# Altium PCB PCB_V0.0.PcbDoc (part 1 of 2)
Units mm, origin at the board's own origin, x right, y up, seen from the top; angles counter-clockwise.
Board outline 199 x 99 mm, 2 copper layers (Top Layer, Bottom Layer); 390 components, 361 nets, 1825 pads, 48 vias.
Unrouted connection lines stored in the file: 1025.
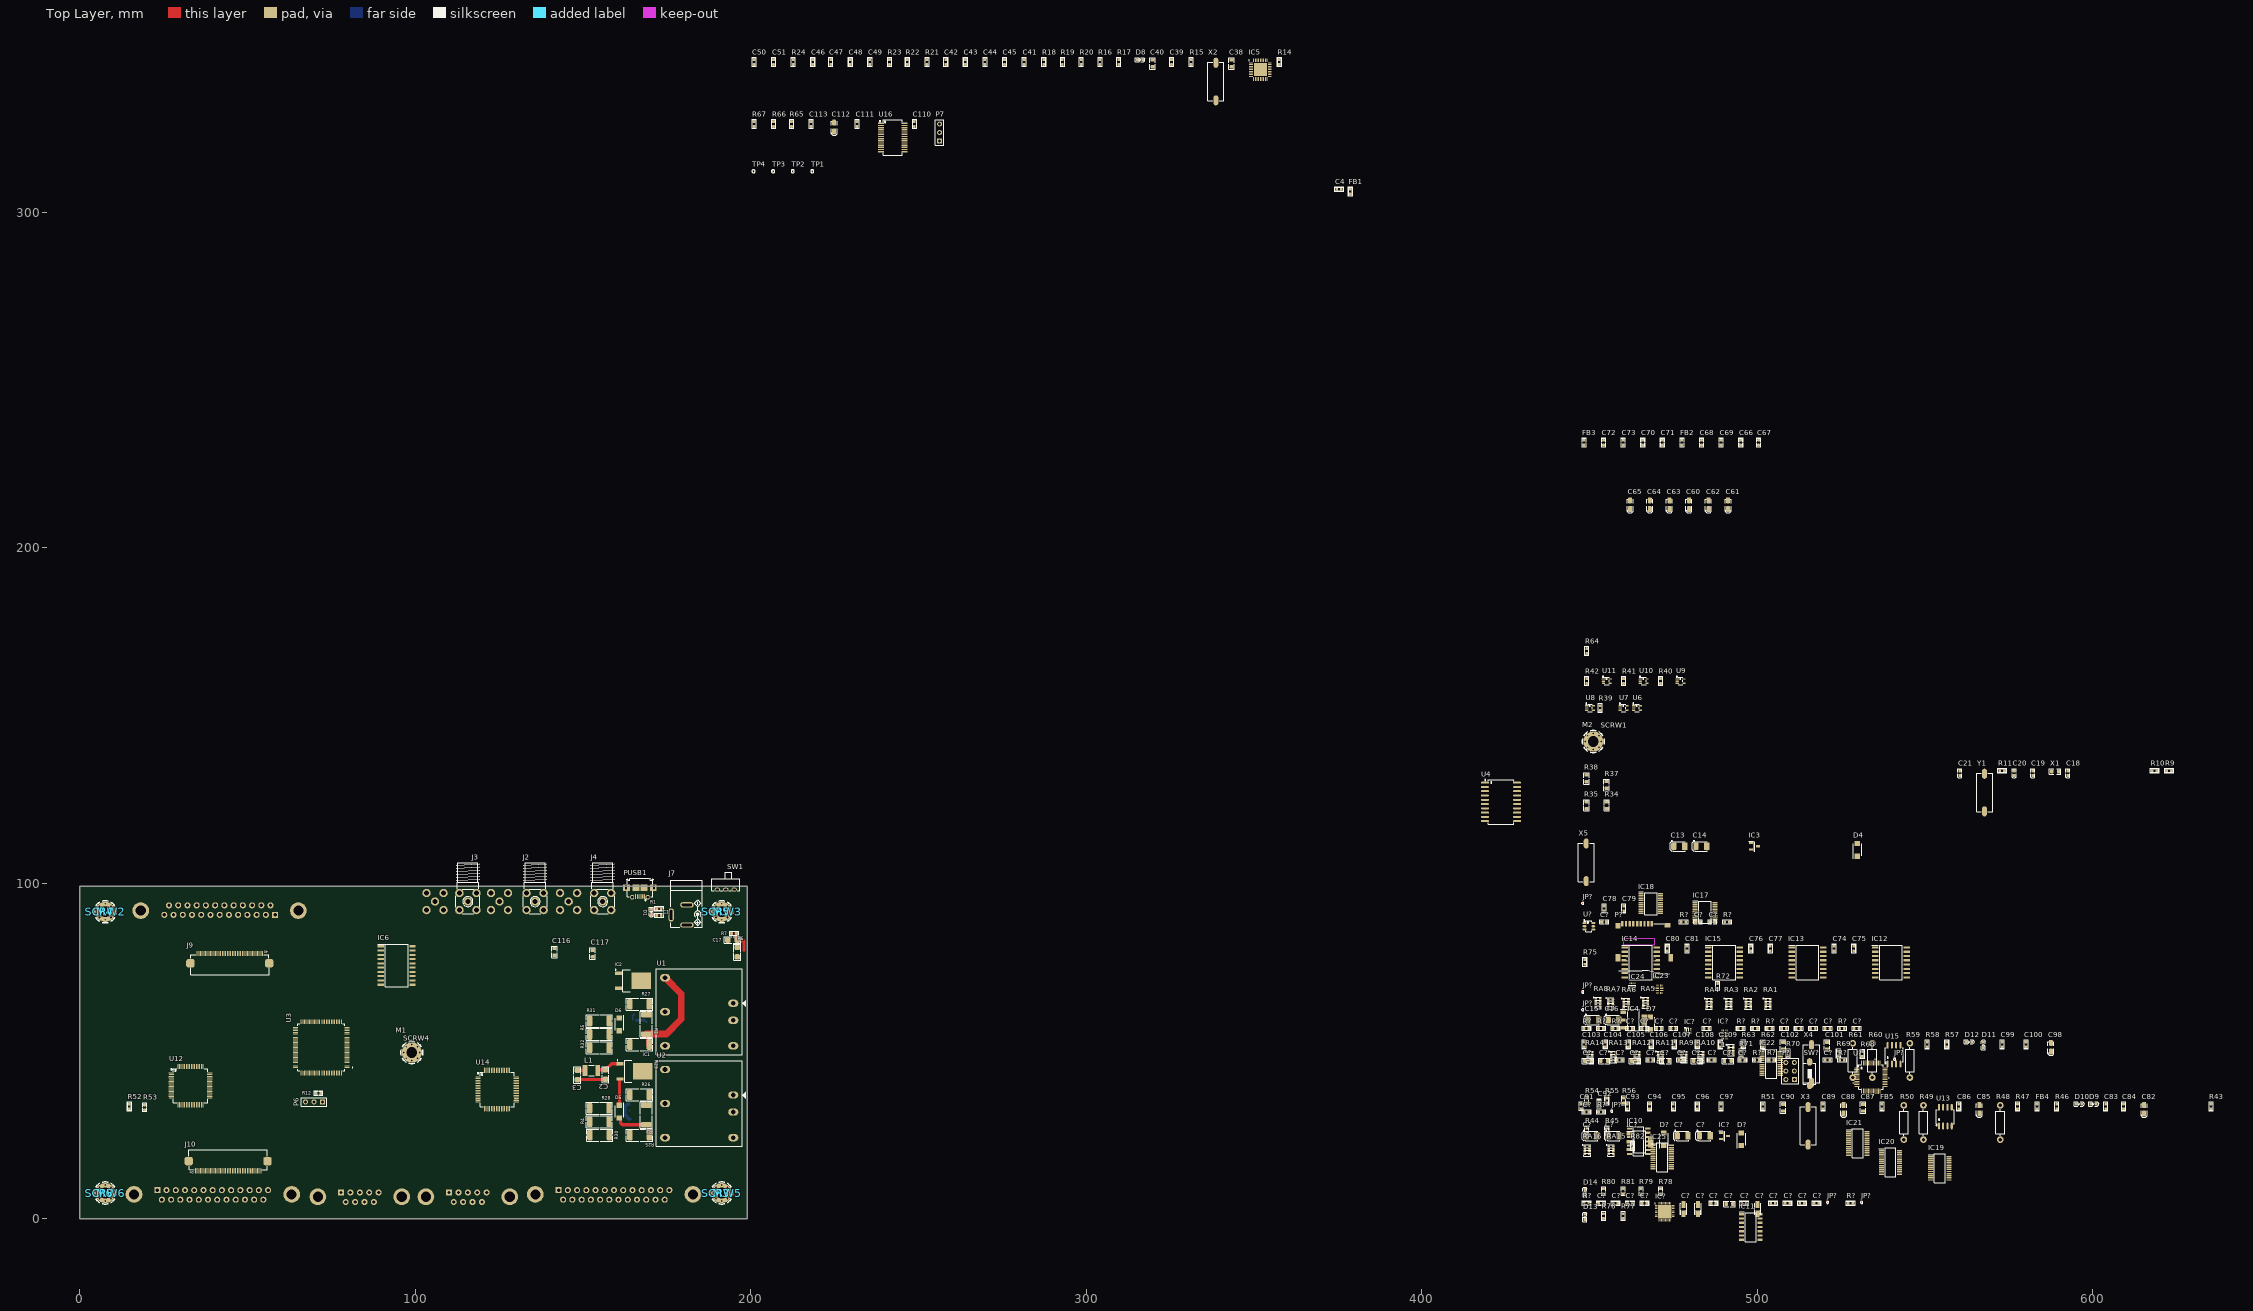
[diagram p0: Top Layer view]
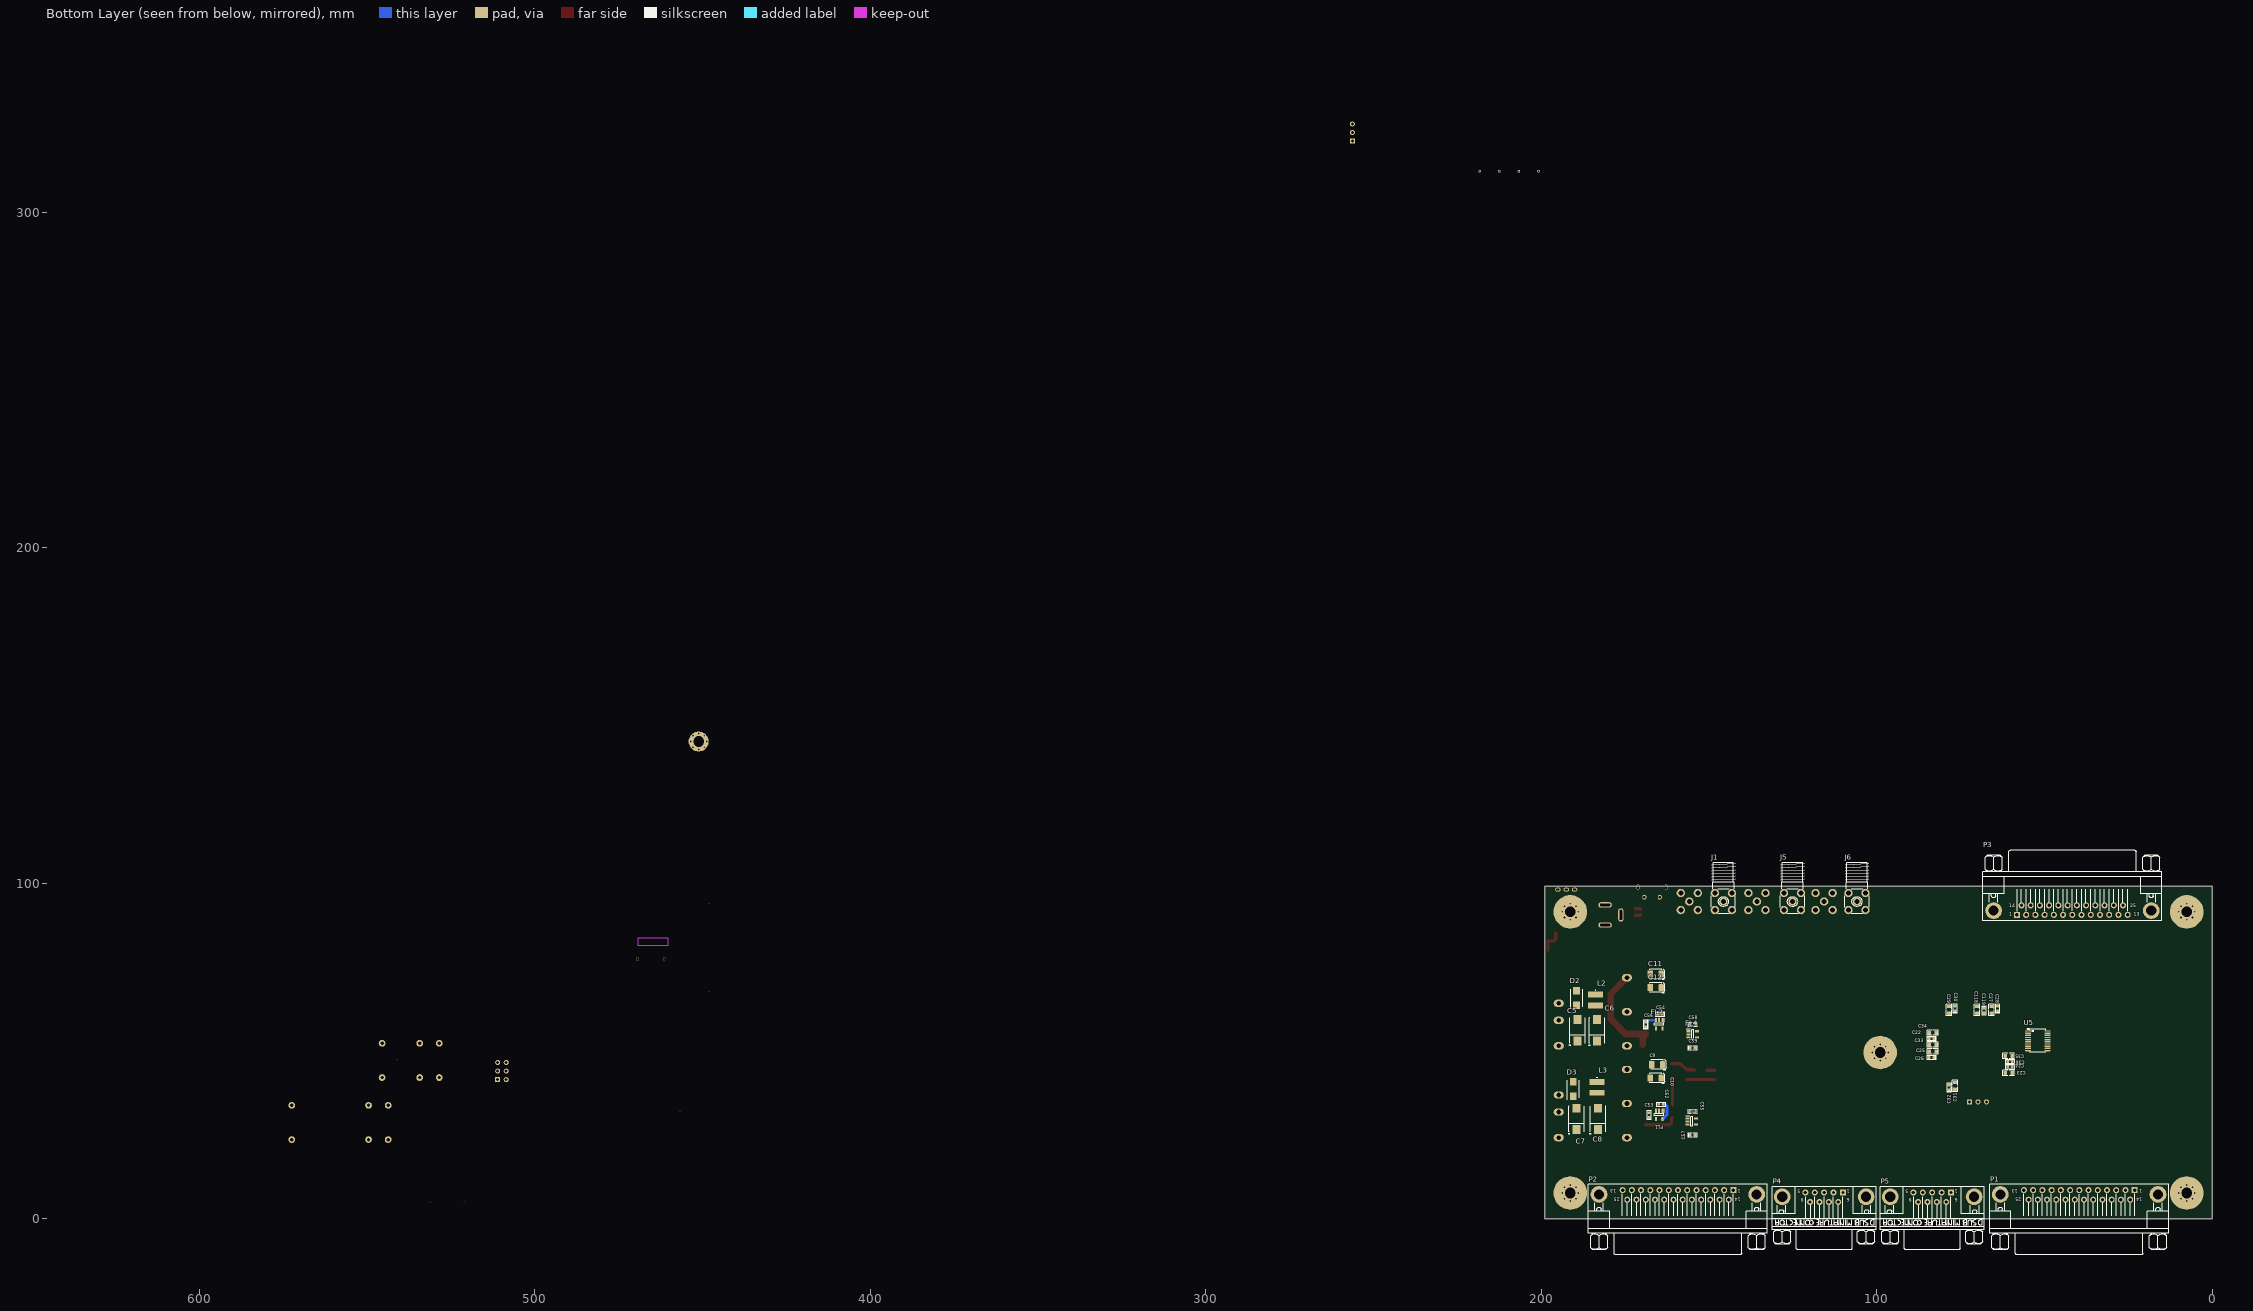
[diagram p1: Bottom Layer view, seen from below]

## Layer stack, top to bottom
Top Solder: solder mask 0.0102, Solder Resist, Dk 3.5
Top Layer: signal copper 0.0356
Dielectric 1: dielectric 0.32, FR-4, Dk 4.8
Bottom Layer: signal copper 0.0356
Bottom Solder: solder mask 0.0102, Solder Resist, Dk 3.5

## Board outline
0,0 0,99 199,99 199,0

## Design rules (kind name [scope] priority, off if disabled: settings)
Clearance "Clearance_SMD PACKS" [All] p1: gap=0.254 ignorepadtopadclearanceinfootprint=FALSE except(0: Arc-Hole Track-Hole SMDPad-Hole THPad-Hole Via-Hole Fill-Hole Poly-Hole Region-Hole Text-Hole; 0.1: SMDPad-SMDPad)
Clearance Clearance_1 [All] p2: gap=0.254 ignorepadtopadclearanceinfootprint=FALSE except(0: Arc-Hole Track-Hole SMDPad-Hole THPad-Hole Via-Hole Fill-Hole Poly-Hole Region-Hole Text-Hole; 0.127: SMDPad-SMDPad)
ComponentClearance [All] p1: gap=0.2 collisioncheckmode=3 verticalgap=0.254 showdistances=FALSE
PolygonConnect [All] p1: connectstyle=Relief reliefconductorwidth=0.254 reliefentries=4 polygonreliefangle="90 Angle" airgapwidth=0.254
RoutingLayers RoutingLayers_1 [All] p1: top layer_v5=TRUE bottom layer_v5=TRUE
RoutingLayers [All] p2: top layer_v5=TRUE bottom layer_v5=TRUE
RoutingVias [All] p1: holewidth=0.711 width=1.27 viastyle="Through Hole" minholewidth=0.711 minwidth=1.27 maxholewidth=0.711 maxwidth=1.27
SolderMaskExpansion [All] p1: expansion=0.102 istentingtop=FALSE
Width [All] p1: maxlimit=10 minlimit=0.254 preferedwidth=0.254 minimp=50.000000 maximp=50.000000 favimp=50.000000
28 further rules are at their usual default settings.

## Classes and differential pairs
component class "SD CARD": C? P? R? U?
component class "MCU Sup": C? JP? P? R? SW? U?
component class RS232: C20 C26 C45 C56 C87 C101 JP? R16 R34 U14
component class "MCU 1": C13 C18 C19 C20 C21 C22 C23 C24 C26 C27 C28 C30 C31 C32 C34 C35 C36 C38 C56 C118 C119 C? JP? P3 R10 R11 R29 R30 R? U14 X5 Y1
component class Display: IC3 IC17 IC22
component class "Sync Out": R79 R82 U6 U7 U11
component class "Sync In": R30 U6 U7 U11
component class "Mode Switch": IC15 IC17
component class "MCU GPIO": U5
component class Buffers: IC17 IC23
component class "screw and Hole": 3 M1 M4 M5 SCRW1 SCRW2 SCRW5
component class FT2232HL_OUT: C13 C22 C26 C29 C30 C31 C32 C34 C44 C99 C101 C118 C120 C121 C122 C123 C124 C125 C126 C127 D6 D8 D10 R11 R19 R20 R47 R49 R50 R56 R58 R78 R79 R80 R81 U5 U14 X3
component class "On Board Terminals": J6 J10
component class "Power Switch": C99 C? IC23 IC24 IC? R5 R14 R34 R56 R72 R? SW1
component class "Audio Codec": C? IC? JP? R?
component class FT2232HL_IN: C6 C7 C9 C11 C12 C15 C52 C56 C57 C77 C82 C83 C85 C87 C97 D1 D8 D10 FB1 FB4 R20 R23 R40 R47 R49 R50 R51 R71 R72 R76 R77 R78 U5 U12 X3
component class RS485: C6 C21 C38 C39 C66 C85 C87 C99 FB1 FB2 IC23 JP? R11 R81
component class "BIT(Built in Test)": C42 C43 C44 C52 C56 C57 C77 C87 FL1 FL2 FL3 FL4 R27 R29 R30 R31 R34 R58 R76 R79
component class "Test Points": TP2 TP4
component class Terminals: C2 FB1 J3 J4 J6 J10 P1 P4 P5 PUSB1
component class Isolators: C7 C18 C19 C20 C26 C38 C77 C83 IC13 IC14 IC15 IC22
component class "USB HUB": C21 C30 C38 C43 C44 C45 C57 C66 C87 C97 C101 C110 C118 D8 IC14 JP? R11 R16 R17 R19 R20 R34 R47 R78 X3
component class "Main Power": C1 C6 C7 C9 C11 C12 C13 C15 C16 C22 C34 C38 C? D1 D4 D6 D? IC1 IC2 IC4 IC6 IC? L2 L3 R4 R5 R29 R47 U3 U12
component class "Level Shifting": 1 IC14 IC19 IC22 IC25 IC26 IC27 IC28 IC29 R11 R47 R71 R82 R83 R84 R85 R86 RA3 RA5 RA7 RA10 RA13 RA14 RA16
component class USB_TTL: C23 C27 C28 C36 C110 C117 C140 C141 C142 C143 C144 C145 P1 R16 R17 R50 R58 U5 X5
component class "AUX Power": C2 C36 C117 D1 L1 R20

## Components (designator, comment, footprint, x,y, rotation, side; value= is the part's Value field where it differs from the comment)
1 "Film Res Pack" RP0603X4 492.19,50.202 r0 top value=10K (schematic designator ?)
C1 "1uF" 0603 172.682,90.366 r180 top (schematic designator C19)
C2 "Capacitor C SMD 1206" C1206#1 156.718,42.926 r90 top value=100nf (schematic designator C18)
C3 "Capacitor C SMD 1206" C1206#1 148.336,42.796 r90 top value=100nf (schematic designator C20)
C4 "10nF" C0603#1 375.378,306.822 r0 top
C5 "Capacitor Tantalum SMD" Cap_D 189.23,56.134 r90 bottom value=220uf (schematic designator C12)
C6 "Capacitor Tantalum SMD" Cap_D 183.388,56.134 r90 bottom value=220uf (schematic designator C13)
C7 "Capacitor Tantalum SMD" Cap_D 189.484,29.718 r90 bottom value=220uf (schematic designator C3)
C8 "Capacitor Tantalum SMD" Cap_D 183.134,29.718 r90 bottom value=220uf (schematic designator C6)
C9 "0.22uF" C_TN_3528 165.492,45.888 r0 bottom (schematic designator C2)
C10 "0.22uF" C_TN_3528 165.892,41.888 r0 bottom (schematic designator C5)
C11 "0.22uF" C_TN_3528 165.892,72.888 r0 bottom (schematic designator C9)
C12 "0.22uF" C_TN_3528 165.892,68.888 r0 bottom (schematic designator C10)
C13 "0.1uF" C_TN_3528 476.8,110.963 r0 top (schematic designator C14)
C14 "0.1uF" C_TN_3528 483.379,110.963 r0 top (schematic designator C16)
C15 "10uF" C_TN_3528 451.19,59.202 r0 top (schematic designator C1)
C16 "10uF" C_TN_3528 457.19,59.202 r0 top (schematic designator C?)
C17 "100nF" C1206#2 194.6,83 r0 top (schematic designator C21)
C18 "Capacitor C SMD 0603" C0603#2 592.65,132.782 r90 top value=20Pf (schematic designator C52)
C19 "Capacitor C SMD 0603" C0603#2 582.185,132.782 r90 top value=20Pf (schematic designator C53)
C20 "Capacitor C SMD 0603" C0603#2 576.597,132.782 r90 top value=20pf (schematic designator C50)
C21 "Capacitor C SMD 0603" C0603#2 560.417,132.782 r90 top value=20pf (schematic designator C51)
C22 "1uF" C0805 83.328,55.372 r0 bottom (schematic designator C32)
C23 "4.7uF" C0805 60.706,43.434 r180 bottom (schematic designator C33)
C24 "100nF" C0603#1 60.306,45.212 r180 bottom (schematic designator C34)
C25 "4.7uF" C0805 83.328,49.784 r0 bottom (schematic designator C35)
C26 "100nF" C0603#1 83.728,48.006 r0 bottom (schematic designator C36)
C27 "4.7uF" C0805 65.786,62.23 r90 bottom (schematic designator C37)
C28 "100nF" C0603#1 64.008,62.63 r90 bottom (schematic designator C38)
C29 "4.7uF" C0805 78.486,62.23 r90 bottom (schematic designator C39)
C30 "100nF" C0603#1 76.708,62.63 r90 bottom (schematic designator C40)
C31 "4.7uF" C0805 76.723,39.546 r270 bottom (schematic designator C41)
C32 "100nF" C0603#1 78.486,39.116 r270 bottom (schematic designator C42)
C33 "?uF" C0805 83.328,51.816 r0 bottom (schematic designator C43)
C34 "?nF" C0603#1 83.728,53.594 r0 bottom (schematic designator C44)
C35 "2.2uF" C0805 60.706,48.514 r180 bottom (schematic designator C45)
C36 "100nF" C0603#1 60.306,46.736 r180 bottom (schematic designator C46)
C38 "30PF" C0805 343.349,344.338 r90 top (schematic designator C67)
C39 "100nF" 0603 325.442,344.719 r90 top (schematic designator C62)
C40 "30PF" C0805 319.803,344.338 r90 top (schematic designator C66)
C41 "0.1uF" 0603 281.5,344.719 r90 top (schematic designator C64)
C42 "100nF" 0603 258.132,344.719 r90 top (schematic designator C55)
C43 "1.0uF-16V" 0603 263.974,344.719 r90 top (schematic designator C57)
C44 "100nF" 0603 269.816,344.719 r90 top (schematic designator C60)
C45 "1.0uF-16V" 0603 275.658,344.719 r90 top (schematic designator C61)
C46 "100nF" 0603 218.508,344.719 r90 top (schematic designator C54)
C47 "100nF" 0603 223.842,344.719 r90 top (schematic designator C56)
C48 "100nF" 0603 229.684,344.719 r90 top (schematic designator C58)
C49 "100nF" 0603 235.526,344.719 r90 top (schematic designator C59)
C50 "100nF" 0603 200.982,344.719 r90 top (schematic designator C63)
C51 "1.0uF-16V" 0603 206.824,344.719 r90 top (schematic designator C65)
C52 "100nF" C0603#1 164.338,34.036 r180 bottom (schematic designator C71)
C53 "100nF" C0603#1 167.892,30.888 r90 bottom (schematic designator C69)
C54 "100nF" C0603#1 164.592,60.888 r180 bottom (schematic designator C73)
C55 "100nF" C0603#1 154.892,31.888 r180 bottom (schematic designator C75)
C56 "100nF" C0603#1 168.892,57.888 r90 bottom (schematic designator C72)
C57 "100nF" C0603#1 154.892,24.888 r0 bottom (schematic designator C74)
C58 "100nF" C0603#1 154.892,57.888 r180 bottom (schematic designator C70)
C59 "100nF" C0603#1 154.892,50.888 r0 bottom (schematic designator C68)
C60 "0.1uF-16V" C_TN_3216 479.696,212.792 r90 top (schematic designator C76)
C61 "0.1uF-10V" C_TN_3216 491.354,212.792 r90 top (schematic designator C81)
C62 "0.1uF-10V" C_TN_3216 485.512,212.792 r90 top (schematic designator C80)
C63 "0.1uF-16V" C_TN_3216 473.854,212.792 r90 top (schematic designator C79)
C64 "0.1uF-16V" C_TN_3216 468.012,212.792 r90 top (schematic designator C78)
C65 "0.1uF-16V" C_TN_3216 462.17,212.792 r90 top (schematic designator C77)
C66 "100nF" C0603#1 495.114,231.283 r90 top (schematic designator C83)
C67 "10nF" C0603#1 500.448,231.283 r90 top (schematic designator C85)
C68 "100nF" C0603#1 483.43,231.283 r90 top (schematic designator C87)
C69 "10nF" C0603#1 489.272,231.283 r90 top (schematic designator C88)
C70 "100nF" C0603#1 465.904,231.283 r90 top (schematic designator C82)
C71 "10uF" C0603#1 471.746,231.283 r90 top (schematic designator C84)
C72 "100nF" C0603#1 454.22,231.283 r90 top (schematic designator C86)
C73 "10uF" C0603#1 460.062,231.283 r90 top (schematic designator C89)
C74 "100nF" C0603#1 522.952,80.458 r90 top (schematic designator C91)
C75 "100nF" C0603#1 528.794,80.458 r90 top (schematic designator C93)
C76 "100nF" C0603#1 498.111,80.458 r90 top (schematic designator C95)
C77 "100nF" C0603#1 503.953,80.458 r90 top (schematic designator C97)
C78 "100nF" C0603#1 454.378,92.458 r90 top (schematic designator C90)
C79 "100nF" C0603#1 460.22,92.458 r90 top (schematic designator C92)
C80 "100nF" C0603#1 473.244,80.458 r90 top (schematic designator C94)
C81 "100nF" C0603#1 479.086,80.458 r90 top (schematic designator C96)
C82 "4.7uF" C_TN_3216 615.383,32.579 r90 top (schematic designator C?)
C83 "100nF" 0603 603.902,33.442 r90 top (schematic designator C124)
C84 "100nF" 0603 609.236,33.442 r90 top (schematic designator C127)
C85 "4.7uF" C_TN_3216 566.234,32.579 r90 top (schematic designator C118)
C86 "100nF" 0603 560.087,33.442 r90 top (schematic designator C121)
C87 "30PF" C0805 531.563,33.061 r90 top (schematic designator C126)
C88 "4.7uF" C_TN_3216 525.822,32.579 r90 top (schematic designator C117)
C89 "100nF" 0603 519.675,33.442 r90 top (schematic designator C120)
C90 "30PF" C0805 507.763,33.061 r90 top (schematic designator C125)
C91 "100nF" 0603 447.548,33.466 r90 top (schematic designator C112)
C92 "100nF" 0603 452.882,34.29 r90 top (schematic designator C113)
C93 "100nF" 0603 461.332,33.442 r90 top (schematic designator C114)
C94 "100nF" 0603 467.936,33.442 r90 top (schematic designator C115)
C95 "100nF" 0603 475.048,33.442 r90 top (schematic designator C116)
C96 "100nF" 0603 482.16,33.442 r90 top (schematic designator C119)
C97 "100nF" 0603 489.272,33.442 r90 top (schematic designator C122)
C98 "4.7uF" C_TN_3216 587.57,51.07 r90 top (schematic designator C135)
C99 "100nF" 0603 573.041,51.933 r90 top (schematic designator C136)
C100 "100nF" 0603 580.153,51.933 r90 top (schematic designator C139)
C101 "30PF" C0805 520.895,51.552 r90 top (schematic designator C138)
C102 "30PF" C0805 507.763,51.552 r90 top (schematic designator C137)
C103 "100nF" 0603 448.378,51.933 r90 top (schematic designator C128)
C104 "100nF" 0603 454.728,51.933 r90 top (schematic designator C129)
C105 "100nF" 0603 461.586,51.933 r90 top (schematic designator C130)
C106 "100nF" 0603 468.444,51.933 r90 top (schematic designator C131)
C107 "100nF" 0603 475.302,51.933 r90 top (schematic designator C132)
C108 "100nF" 0603 482.16,51.933 r90 top (schematic designator C133)
C109 "100nF" 0603 489.018,51.933 r90 top (schematic designator C134)
C110 "100nF" 0603 248.81,326.228 r90 top (schematic designator C142)
C111 "100nF" 0603 231.716,326.228 r90 top (schematic designator C143)
C112 "4.7uF" C_TN_3216 224.908,325.364 r90 top (schematic designator C141)
C113 "100nF" 0603 218,326.228 r90 top (schematic designator C140)
C116 "30PF" C0805 141.478,79.502 r270 top (schematic designator C145)
C117 "30PF" C0805 152.908,78.994 r90 top (schematic designator C144)
C118 "2.2uF" C0805 70.104,62.23 r90 bottom (schematic designator C47)
C119 "100nF" C0603#1 68.072,61.976 r90 bottom (schematic designator C48)
C? "0.1uF" C_TN_3528 477.816,24.654 r0 top (schematic designator C15)
C? "10uF" C_TN_3528 450.638,24.654 r0 top (schematic designator C8)
C? "0.1uF/6.3V" C0603#1 496.104,4.588 r0 top (schematic designator C111)
C? "2.2uF/6.3V" C0603#1 457.75,4.588 r0 top (schematic designator C101)
C? "2.2uF/6.3V" C0603#1 466.386,4.588 r0 top (schematic designator C99)
C? "10uF" C_TN_3528 457.242,24.654 r0 top (schematic designator C11)
C? "1uF" C0805 449.622,47.006 r0 top (schematic designator C149)
C? "100nF" C0603#1 459.02,47.26 r0 top (schematic designator C151)
C? "?nF" C0603#1 486.452,47.26 r0 top (schematic designator C157)
C? "0.1uF" C_TN_3528 484.42,24.654 r0 top (schematic designator C17)
C? "100nF" C0603#1 449.114,31.766 r0 top (schematic designator C49)
C? "Capacitor Tantalum SMD" Cap_A 478.07,2.81 r90 top value=4.7uF/6.3V (schematic designator C105)
C? "2.2uF" C0603#1 504.74,4.588 r0 top (schematic designator C102)
C? "0.1uF/6.3V" C0603#1 486.96,4.588 r0 top (schematic designator C109)
C? "Capacitor Tantalum SMD" Cap_A 482.388,2.81 r90 top value=4.7uF/6.3V (schematic designator C108)
C? "2.2uF/6.3V" C0603#1 453.432,4.588 r0 top (schematic designator C100)
C? "2.2uF/6.3V" C0603#1 513.376,4.588 r0 top (schematic designator C104)
C? "Capacitor Tantalum SMD" Cap_A 500.168,2.81 r90 top value=4.7uF/6.3V (schematic designator C107)
C? "0.1uF/6.3V" C0603#1 509.058,4.588 r0 top (schematic designator C103)
C? "0.1uF/6.3V" C0603#1 517.694,4.588 r0 top (schematic designator C106)
C? "4.7uF/6.3V" C0805 491.786,4.334 r0 top (schematic designator C110)
C? "2.2uF/6.3V" C0603#1 462.068,4.588 r0 top (schematic designator C98)
C? "100nF" C0603#1 516.678,56.658 r0 top (schematic designator C31)
C? "100nF" C0603#1 520.996,56.658 r0 top (schematic designator C23)
C? "100nF" C0603#1 466.386,56.658 r0 top (schematic designator C28)
C? "100nF" C0603#1 529.632,56.658 r0 top (schematic designator C27)
C? "100nF" C0603#1 475.022,56.658 r0 top (schematic designator C22)
C? "100nF" C0603#1 508.042,56.658 r0 top (schematic designator C26)
C? "Capacitor C SMD 0603" C0603#2 454.448,88.408 r0 top value=100nf (schematic designator C147)
C? "Capacitor C SMD 0603" C0603#2 486.706,88.408 r0 top value=1nf (schematic designator C146)
C? "Capacitor C SMD 0603" C0603#2 482.388,88.408 r0 top value=100nf (schematic designator C148)
C? "100nF" C0603#1 470.704,56.658 r0 top (schematic designator C30)
C? "100nF" C0603#1 484.928,56.658 r0 top (schematic designator C25)
C? "=VALUE" C0603#1 477.308,47.26 r0 top (schematic designator C155)
C? "4.7uF" C0805 454.448,47.006 r0 top (schematic designator C150)
C? "2.2uF" C0805 491.278,47.006 r0 top (schematic designator C158)
C? "?uF" C0805 482.134,47.006 r0 top (schematic designator C156)
C? "100nF" C0603#1 468.164,47.26 r0 top (schematic designator C153)
C? "4.7uF" C0805 463.592,47.006 r0 top (schematic designator C152)
C? "100nF" C0603#1 462.068,56.658 r0 top (schematic designator C24)
C? "100nF" C0603#1 512.36,56.658 r0 top (schematic designator C29)
C? "4.7uF" C0805 472.736,47.006 r0 top (schematic designator C154)
C? "100nF" C0603#1 520.996,47.26 r0 top (schematic designator C160)
C? "100nF" C0603#1 495.596,47.26 r0 top (schematic designator C159)
D1 "LED603RED" LED0603RED 170.382,91.366 r270 top (schematic designator D9)
D2 "SS510B" DIOM5336X244N 189.484,65.786 r90 bottom (schematic designator D6)
D3 "SS510B" DIOM5336X244N 190.5,38.608 r90 bottom (schematic designator D1)
D4 "SS24F" SODFL4626X110N 529.912,109.922 r90 top (schematic designator D7)
D5 "SS24F" SODFL4626X110N 160.892,31.888 r270 top (schematic designator D2)
D6 "SS24F" SODFL4626X110N 160.892,57.888 r270 top (schematic designator D4)
D7 "SS24F" SODFL4626X110N 468.19,58.202 r90 top (schematic designator D3)
D8 "LED603RED" LED0603RED 316.094,345.43 r0 top (schematic designator D10)
D9 "TVS603" D0603 600.32,34.153 r0 top (schematic designator D12)
D10 "TVS603" D0603 595.952,34.153 r0 top (schematic designator D13)
D11 "TVS603" D0603 567.453,51.756 r90 top (schematic designator D15)
D12 "TVS603" D0603 563.186,52.645 r0 top (schematic designator D16)
D13 "LED603RED" LED0603RED 448.606,0.524 r90 top (schematic designator D11)
D14 "LED603RED" LED0603RED 448.606,7.89 r90 top
D? "SS24F" SODFL4626X110N 472.228,23.638 r90 top (schematic designator D5)
D? "SS24F" SODFL4626X110N 495.342,23.638 r90 top (schematic designator D8)
FB1 "600R / 0.5A" L0603 378.731,306.111 r90 top
FB2 "600R / 0.5A" L0603 477.588,231.283 r90 top (schematic designator FB?)
FB3 "600R / 0.5A" L0603 448.378,231.283 r90 top (schematic designator FB2)
FB4 "600R / 0.5A" L0603 583.455,33.442 r90 top (schematic designator FB?)
FB5 "600R / 0.5A" L0603 537.201,33.442 r90 top (schematic designator FB4)
FL1 "INA180A3IDBVR" SOT95P280X145-5N 164.892,30.888 r270 bottom (schematic designator FL?)
FL2 "INA180A3IDBVR" SOT95P280X145-5N 164.892,57.888 r270 bottom (schematic designator FL?)
FL3 "INA180A3IDBVR" SOT95P280X145-5N 155.142,28.938 r180 bottom (schematic designator FL?)
FL4 "INA180A3IDBVR" SOT95P280X145-5N 154.892,54.888 r180 bottom (schematic designator FL?)
IC1 "LF33CDT" TO228P972X240-3N 165.442,43.888 r0 top (schematic designator IC2)
IC2 "LF33CDT" TO228P972X240-3N 164.892,70.888 r0 top (schematic designator IC?)
IC3 "MCP1700T-3302E_TT_1" SOT95P237X112-3N 499.228,110.963 r0 top (schematic designator IC5)
IC4 "LD1117S18CTR" SOT230P700X180-4N 463.19,59.202 r0 top (schematic designator IC?)
IC5 "USB2514B-AEZG" QFN50P600X600X100-37N-D 351.934,342.484 r0 top (schematic designator IC11)
IC6 "ADM2587EBRWZ" SOIC127P1032X265-20N 94.488,75.438 r0 top (schematic designator IC12)
IC10 "SN74LVC07AD" SOIC127P600X175-14N 464.684,23.016 r0 top (schematic designator IC17)
IC11 "SN74LVC07AD" SOIC127P600X175-14N 498.108,-2.524 r0 top (schematic designator IC16)
IC12 "ADUM1400BRWZ-RL" SOIC127P1032X265-16N 539.894,76.343 r0 top (schematic designator IC19)
IC13 "ADUM1400BRWZ-RL" SOIC127P1032X265-16N 515.053,76.343 r0 top (schematic designator IC21)